# Altium PCB test_stand — копия — копия.PcbDoc (part 1 of 2) (continued)
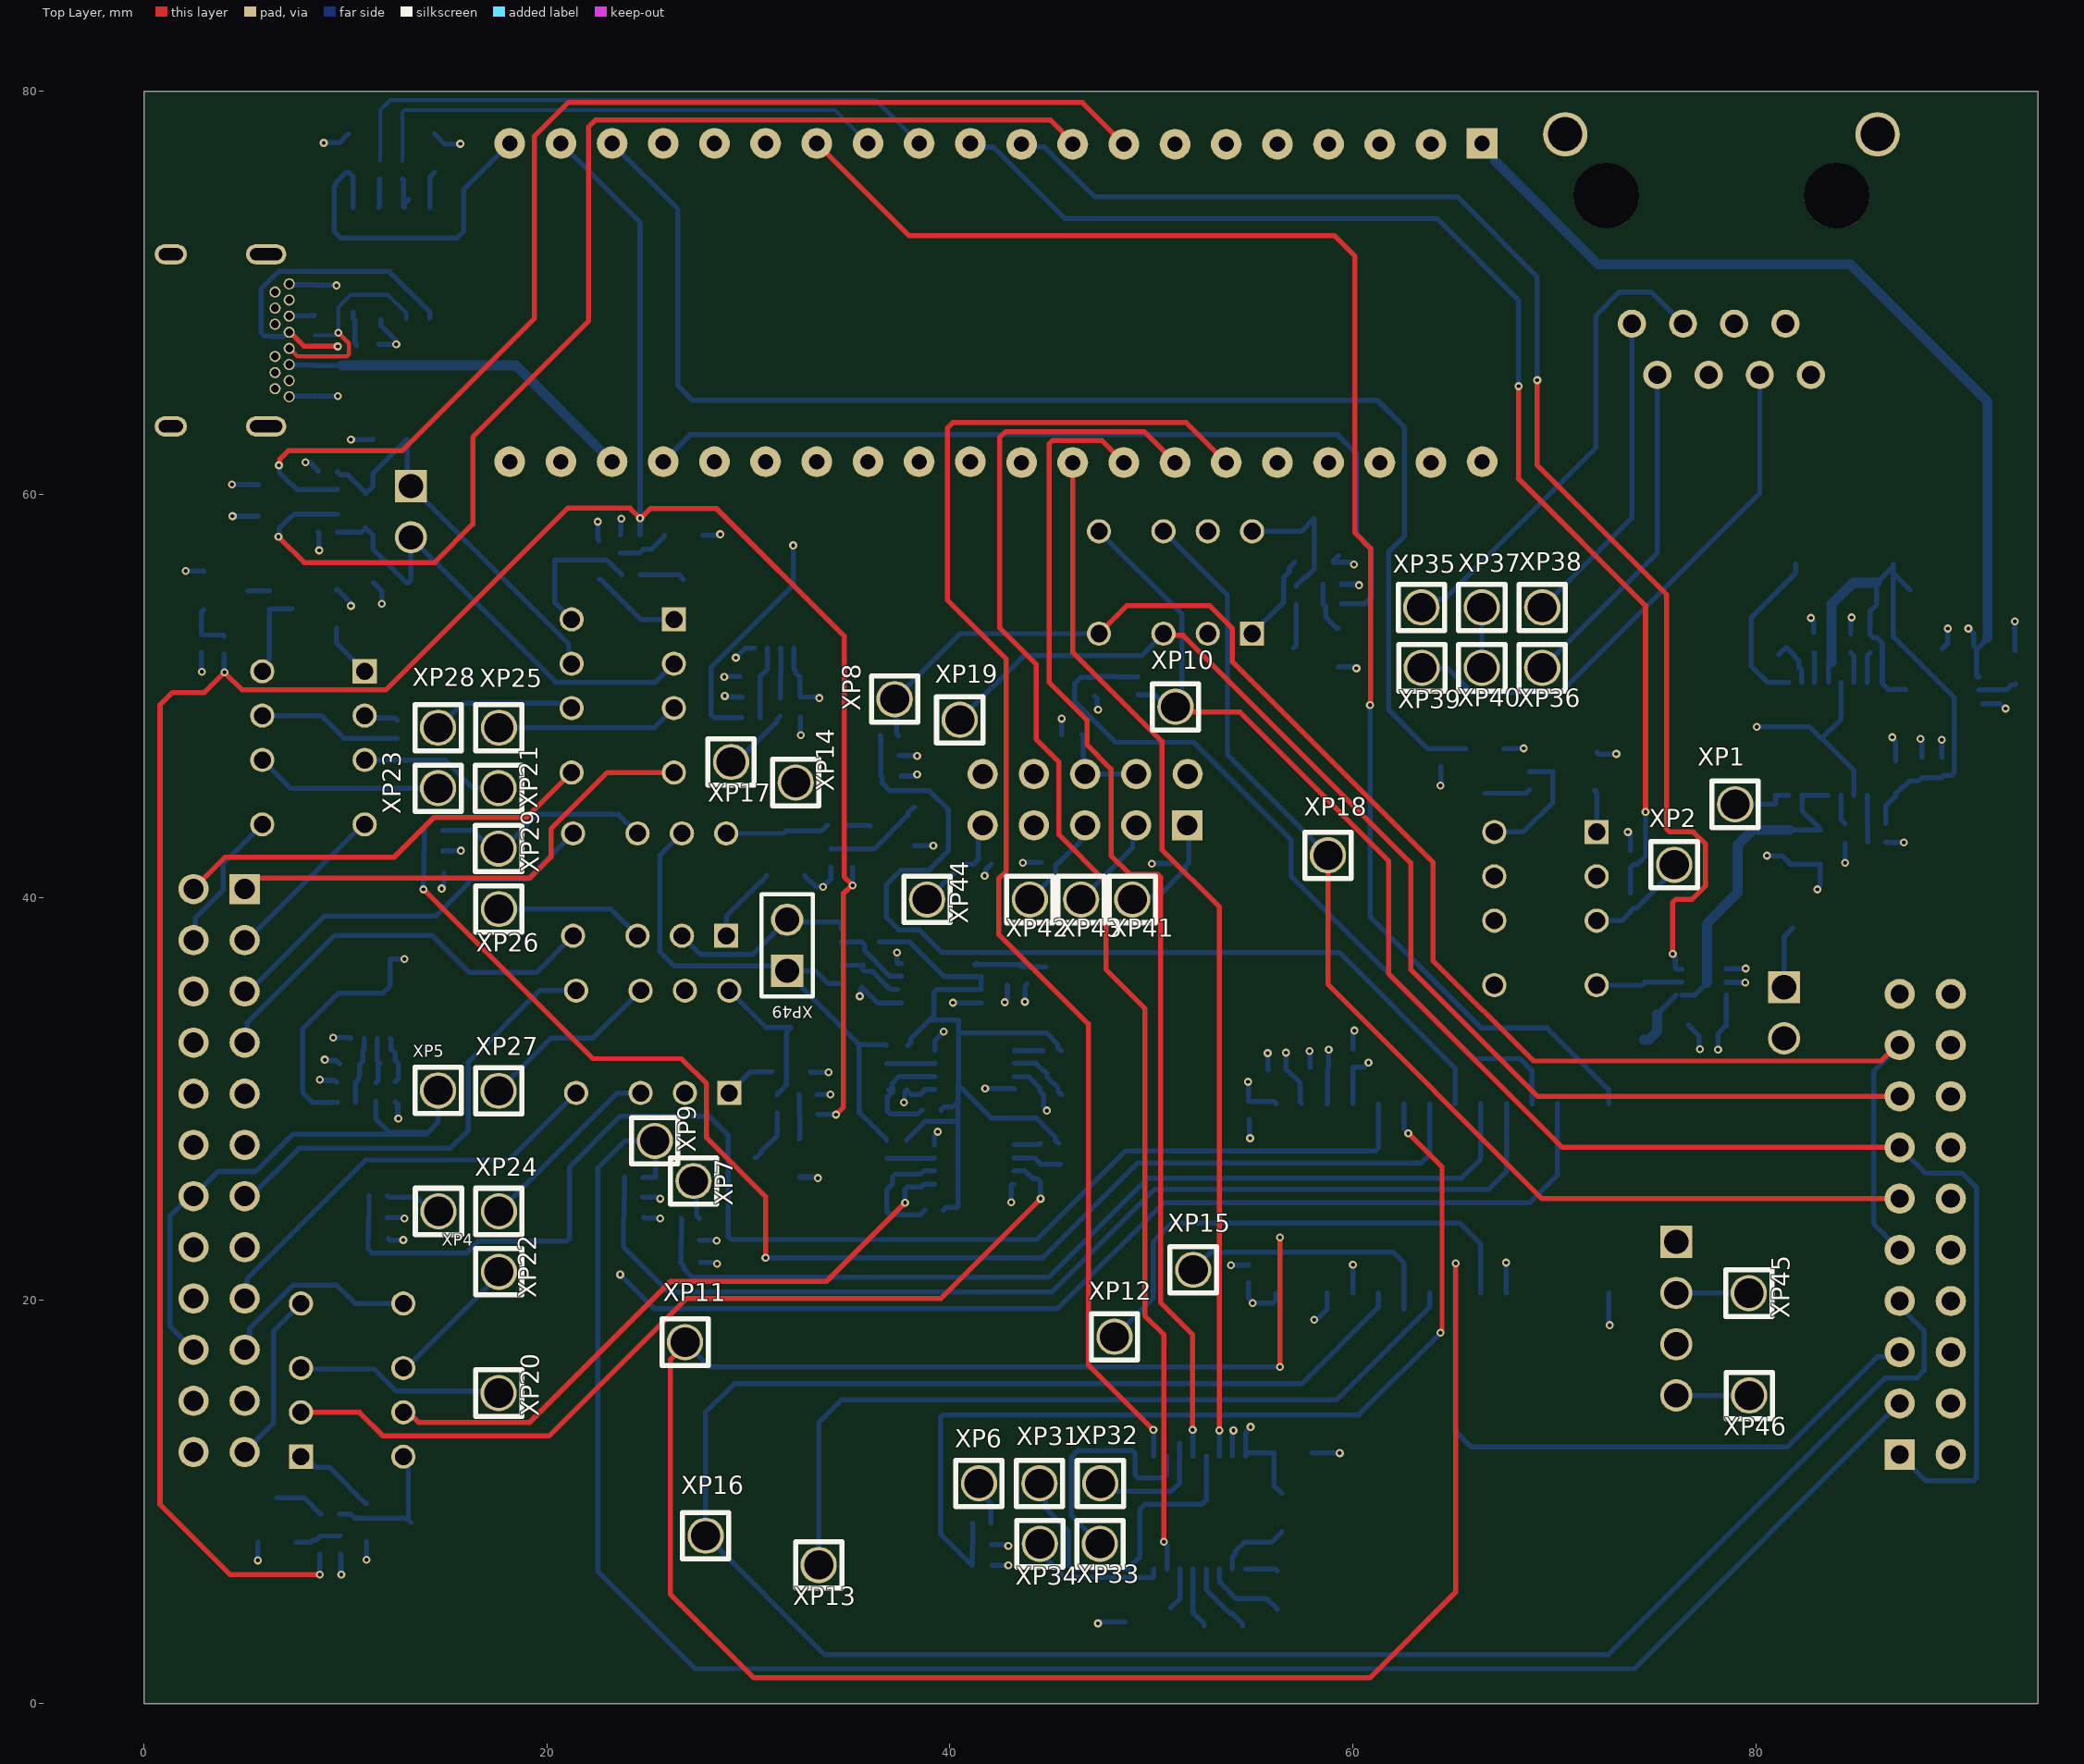
[diagram p0: Top Layer view]
## Components (designator, comment, footprint, x,y, rotation, side; value= is the part's Value field where it differs from the comment)
C1 "22uF" 0603C 81.675,42.5 r90 bottom
C2 "22uF" 0603C 83.2,42.5 r90 bottom
C3 "10nF" 0402C 84.425,43.175 r90 bottom
C4 "10uF" 0402C 82.875,52.65 r270 bottom
C5 "0.1uF" 0805C 77.6,33.675 r0 bottom
C6 "1uF" 0603C 80.625,52.4 r180 bottom
C7 "100uF" 0603C 86.925,45.925 r270 bottom
C8 "100nF" 0402C 88.25,46.45 r270 bottom
C9 "100nF" 0402C 89.225,46.45 r270 bottom
C10 "1uF" 0603C 92.875,51.4 r270 bottom
C11 "1uF" 0603C 90.1,52.35 r0 bottom
C12 "100nF" 0402C 11.625,23.075 r180 bottom
C13 "100nF" 0402C 14.375,41.225 r180 bottom
C14 "10nF" 0402C 10.225,31.736 r0 bottom
C15 "100nF" 0402C 41.6,6.845 r180 bottom
C16 "100nF" 0402C 27.125,21.898 r180 bottom
C17 "10nF" 0402C 12.475,30.361 r90 bottom
C18 "100nF" 0402C 37.075,46.025 r180 bottom
C19 "100nF" 0402C 24.3,24.148 r180 bottom
C20 "100nF" 0402C 47.175,50.5 r90 bottom
C21 "10nF" 0402C 30.1,50.975 r0 bottom
C22 "10nF" 0402C 32.575,49.45 r90 bottom
C23 "0.1uF" 0805C 53.575,3.85 r0 bottom
C24 "0.1uF" 0805C 56.525,5.675 r90 bottom
C25 "0.1uF" 0805C 56.475,9.475 r90 bottom
C26 "0.1uF" 0805C 49.65,4.05 r0 bottom
C27 "0.1uF" 0805C 57.025,12.425 r180 bottom
C28 "0.1uF" 0805C 10.15,76.95 r270 bottom
C29 "0.1uF" 0805C 14.425,76.95 r270 bottom
C30 "10uF" 0402C 46.05,48.075 r0 bottom
C31 "100nF" 0402C 42.85,36.15 r90 bottom
C32 "1uF" 0603C 12.225,62.72 r180 bottom
C33 "1uF" 0603C 12.25,55.6 r180 bottom
C34 "1uF" 0603C 11,59.425 r90 bottom
C35 "1uF" 0603C 6.525,58.925 r0 bottom
C36 "1uF" 0603C 6.525,60.475 r0 bottom
DA1 "LM43603PWPR" TSSOP-17 83.25,47.875 r0 bottom value=LM43603QWPR
DA2 "INA210AIDCKT" SC-70-6 77.425,35.8 r270 bottom
DA3 "ADP3333ARMZ-5" MSOP-8 91.25,50.925 r270 bottom
DA4 "AD8066ARMZ" MSOP-8 12.225,33 r180 bottom
DA5 "AD8066ARMZ" MSOP-8 32.25,52.375 r180 bottom
DA6 "ADM3202ARU" TSSOP-16 52.4,9.475 r180 bottom
DA7 "AD8066ARMZ" MSOP-8 39.25,30.475 r90 bottom
DA8 "AD8066ARMZ" MSOP-8 39.225,25.775 r90 bottom
DA9 "AD8066ARMZ" MSOP-8 37.6,34.775 r90 bottom
DD1 "CH340N" SOP8 14.29,68.7 r90 bottom
L1 "IHLP2020BZER3R3M01" IHLP2020CZ-01 81.974,56.55 r0 bottom
MUX1 "MPC506AU" SOIC-28 64.445,25.069 r90 bottom
R1 "1K" R0402 64.375,46.95 r90 bottom
R2 "24R" R0402 68.75,45.8 r90 bottom
R3 "18.2K" R0402 84.7,52.625 r270 bottom
R4 "0.018R" R1206 74.45,34.35 r90 bottom
R5 "100K" R0402 73.775,39.75 r90 bottom
R6 "10K" R0402 85.675,52.625 r90 bottom
R7 "20K" R0402 73.775,41.9 r90 bottom
R8 "8.2K" R0402 86,42.75 r180 bottom
R9 "40.2K" R0402 86,43.675 r0 bottom
R10 "100K" R0402 11.625,25.205 r180 bottom
R11 "56K" R0402 11.625,24.125 r0 bottom
R12 "100K" R0402 14.375,43.375 r180 bottom
R13 "56K" R0402 14.375,42.3 r0 bottom
R14 "100K" R0402 11.5,30.336 r90 bottom
R15 "100K" R0402 10.025,30.811 r0 bottom
R16 "100K" R0402 41.575,8.945 r180 bottom
R17 "56K" R0402 41.6,7.895 r0 bottom
R18 "100K" R0402 27.125,24.067 r180 bottom
R19 "56K" R0402 27.125,22.998 r0 bottom
R20 "100K" R0402 10.05,29.836 r180 bottom
R21 "10K" R0402 12.175,31.761 r0 bottom
R22 "100K" R0402 37,48.025 r180 bottom
R23 "56K" R0402 37.025,47.05 r0 bottom
R24 "100K" R0402 24.3,26.123 r180 bottom
R25 "56K" R0402 24.3,25.123 r0 bottom
R26 "100K" R0402 49.325,50.5 r90 bottom
R27 "56K" R0402 48.225,50.5 r270 bottom
R28 "10K" R0402 60,32.025 r90 bottom
R29 "100K" R0402 31.575,49.45 r90 bottom
R30 "100K" R0402 30.125,49.95 r0 bottom
R31 "100K" R0402 30.125,48.925 r180 bottom
R32 "10K" R0402 32.075,50.975 r0 bottom
R33 "10K" R0402 54.825,21.325 r270 bottom
R34 "10K" R0402 54.85,29.425 r90 bottom
R35 "10K" R0402 56.25,31.45 r0 bottom
R36 "10K" R0402 58.35,31.575 r0 bottom
R37 "1K" R0402 58.975,55.55 r180 bottom
R38 "1K" R0402 9.75,7.875 r90 bottom
R39 "1K" R0402 2.85,52.625 r90 bottom
R40 "1K" R0402 58.975,54.575 r0 bottom
R41 "1K" R0402 8.725,7.85 r270 bottom
R42 "1K" R0402 3.975,52.525 r270 bottom
R43 "24R" R0402 57.175,55 r90 bottom
R44 "24R" R0402 9.25,9.4 r0 bottom
R45 "24R" R0402 6.225,54.775 r270 bottom
R46 "10K" R0402 12.575,48.35 r90 bottom
R47 "1K" R0402 32.95,30.225 r180 bottom
R48 "1K" R0402 23.65,57.55 r270 bottom
R49 "1K" R0402 34.1,41.975 r90 bottom
R50 "1K" R0402 33,29.225 r0 bottom
R51 "1K" R0402 24.625,57.55 r90 bottom
R52 "1K" R0402 35.15,41.95 r270 bottom
R53 "24R" R0402 31.425,29.75 r90 bottom
R54 "24R" R0402 24.175,56.025 r180 bottom
R55 "24R" R0402 34.375,43.575 r180 bottom
R56 "33R" R0402 12.825,76.1 r90 bottom
R57 "33R" R0402 11.2,67.45 r180 bottom
R58 "33R" R0402 11.725,76.125 r90 bottom
R59 "10K" R0402 51.4,41.7 r0 bottom
R60 "10K" R0402 44.975,41.75 r0 bottom
R61 "10K" R0402 41.6,41.65 r180 bottom
R62 "10K" R0402 36.86,32.2 r270 bottom
R63 "10K" R0402 36.86,27.5 r270 bottom
R64 "10K" R0402 37.91,32.2 r90 bottom
R65 "10K" R0402 37.86,27.5 r90 bottom
R66 "10K" R0402 45.085,32.4 r0 bottom
R67 "10K" R0402 44.96,27.8 r0 bottom
R68 "10K" R0402 39.125,29.5 r0 bottom
R69 "10K" R0402 45.11,31.4 r180 bottom
R70 "10K" R0402 39.225,24.475 r0 bottom
R71 "10K" R0402 45.485,26.3 r90 bottom
R72 "10K" R0402 37.4,30.45 r0 bottom
R73 "10K" R0402 45.1,30.225 r180 bottom
R74 "10K" R0402 37.425,25.625 r0 bottom
R75 "10K" R0402 44.485,26.325 r270 bottom
R77 "10K" R0402 34.675,36.175 r90 bottom
R78 "10K" R0402 34.6,38.225 r270 bottom
R79 "10K" R0402 36.05,37.8 r0 bottom
R80 "20K" R0402 44.825,36.15 r90 bottom
R81 "10K" R0402 35.65,36 r270 bottom
R82 "10K" R0402 43.825,36.15 r90 bottom
R83 "100K" R0402 9.6,58.575 r270 bottom
R84 "56K" R0402 8.65,58.575 r270 bottom
R85 "100K" R0402 9.6,60.7 r90 bottom
R86 "56K" R0402 8.65,60.7 r90 bottom
VD1 "BAV99" SOT-23-3 71.025,46.25 r180 bottom
VD2 "MBRAF1540T3G" SMA-FL 79.7,38.475 r180 bottom
VD3 "BAV99" SOT-23-3 58.075,57.75 r90 bottom
VD4 "BAV99" SOT-23-3 12.15,8.975 r0 bottom
VD5 "BAV99" SOT-23-3 8.462,54.326 r180 bottom
VD6 "BAV99" SOT-23-3 32.125,32.45 r90 bottom
VD7 "BAV99" SOT-23-3 21.5,56.75 r180 bottom
VD8 "BAV99" SOT-23-3 31.85,42.2 r90 bottom
VT1 "BSS138" SOT-23-3 66.55,46.275 r270 bottom
VT2 "BSS138" SOT-23-3 58.175,52.4 r180 bottom
VT3 "BSS138" SOT-23-3 6.6,9.1 r90 bottom
VT4 "BSS138" SOT-23-3 4.075,55.225 r0 bottom
VT5 "BSS138" SOT-23-3 31.425,27.075 r180 bottom
VT6 "BSS138" SOT-23-3 26.775,56.875 r270 bottom
VT7 "BSS138" SOT-23-3 37.15,43.525 r180 bottom
XP1 "PA" "POGO PIN P100-A2/B1" 78.971,44.624 r0 top
XP2 "PA" "POGO PIN P100-A2/B1" 75.95,41.625 r0 top
XP3 "PLS-2" PLS-2 81.4,34.28 r270 bottom
XP4 "PA" "POGO PIN P100-A2/B1" 14.621,24.424 r0 top
XP5 "PA" "POGO PIN P100-A2/B1" 14.6,30.425 r0 top
XP6 "PA" "POGO PIN P100-A2/B1" 41.445,10.925 r0 top
XP7 "PB" "POGO PIN P100-A2/B1" 27.277,25.928 r0 top
XP8 "PB" "POGO PIN P100-A2/B1" 37.257,49.844 r0 top
XP9 "PB" "POGO PIN P100-A2/B1" 25.356,27.92 r0 top
XP10 "PB" "POGO PIN P100-A2/B1" 51.197,49.464 r90 top
XP11 "PB" "POGO PIN P100-A2/B1" 26.856,17.931 r90 top
XP12 "PB" "POGO PIN P100-A2/B1" 48.17,18.2 r90 top
XP13 "PB" "POGO PIN P100-A2/B1" 33.491,6.874 r90 top
XP14 "PB" "POGO PIN P100-A2/B1" 32.35,45.702 r90 top
XP15 "PB" "POGO PIN P100-A2/B1" 52.077,21.52 r90 top
XP16 "PB" "POGO PIN P100-A2/B1" 27.881,8.325 r90 top
XP17 "PB" "POGO PIN P100-A2/B1" 29.141,46.724 r90 top
XP18 "PA" "POGO PIN P100-A2/B1" 58.763,42.093 r90 top
XP19 "PA" "POGO PIN P100-A2/B1" 40.488,48.818 r90 top
XP20 "PA" "POGO PIN P100-A2/B1" 17.605,15.406 r90 top
XP21 "PA" "POGO PIN P100-A2/B1" 17.6,45.425 r90 top
XP22 "PA" "POGO PIN P100-A2/B1" 17.621,21.424 r90 top
XP23 "PA" "POGO PIN P100-A2/B1" 14.6,45.425 r90 top
XP24 "PA" "POGO PIN P100-A2/B1" 17.621,24.424 r90 top
XP25 "PB" "POGO PIN P100-A2/B1" 17.621,48.424 r90 top
XP26 "PA" "POGO PIN P100-A2/B1" 17.621,39.424 r90 top
XP27 "PA" "POGO PIN P100-A2/B1" 17.605,30.406 r90 top
XP28 "PB" "POGO PIN P100-A2/B1" 14.6,48.425 r90 top
XP29 "PA" "POGO PIN P100-A2/B1" 17.601,42.425 r90 top
XP30 "STM32F411CEU6 Black Pill" "Black pill STM32F411CEU6" 66.415,77.425 r180 bottom
XP31 "PA" "POGO PIN P100-A2/B1" 44.445,10.925 r90 top
XP32 "PA" "POGO PIN P100-A2/B1" 47.466,10.924 r90 top
XP33 "PA" "POGO PIN P100-A2/B1" 47.445,7.925 r90 top
XP34 "PA" "POGO PIN P100-A2/B1" 44.466,7.924 r90 top
XP35 "PA" "POGO PIN P100-A2/B1" 63.4,54.397 r90 top
XP36 "PA" "POGO PIN P100-A2/B1" 69.4,51.397 r90 top
XP37 "PA" "POGO PIN P100-A2/B1" 66.4,54.397 r90 top
XP38 "PA" "POGO PIN P100-A2/B1" 69.4,54.397 r90 top
XP39 "PA" "POGO PIN P100-A2/B1" 63.42,51.397 r90 top
XP40 "PA" "POGO PIN P100-A2/B1" 66.4,51.397 r90 top
XP41 "PA" "POGO PIN P100-A2/B1" 49.051,39.899 r90 top
XP42 "PA" "POGO PIN P100-A2/B1" 43.971,39.899 r90 top
XP43 "PA" "POGO PIN P100-A2/B1" 46.511,39.899 r90 top
XP44 "PA" "POGO PIN P100-A2/B1" 38.87,39.9 r90 top
XP45 "PA" "POGO PIN P100-A2/B1" 79.65,20.365 r90 top
XP46 "PA" "POGO PIN P100-A2/B1" 79.671,15.284 r90 top
XP47 "PLS-4" PLS-4 76.05,19.1 r270 bottom
XP48 "20021111-00010T4LF" 20021111-00010T4LF 51.775,43.585 r180 bottom
XP49 "3R" PLS-2 31.925,37.625 r90 top
XP50 "BH-20" BH-20 88.405,23.785 r90 bottom
XP51 "3R" PLS-2 13.25,59.145 r270 bottom
XS1 "217B-AG01" 217B-AG01 4.9,67.65 r270 bottom
XS2 "DS1126" DS1126 73.845,68.475 r0 bottom
XS3 "PLD-24" PLD-24 3.73,26.45 r270 bottom
К1 "HFD4/5" DIP-8 72.1,43.25 r180 bottom
К2 "HFD4/5" DIP-8 55,53.095 r90 bottom
К3 "HFD4/5" DIP-8 7.795,12.25 r0 bottom
К4 "HFD4/5" DIP-8 10.955,51.225 r180 bottom
К5 "HFD4/5" DIP-8 29.05,30.3 r90 bottom
К6 "HFD4/5" DIP-8 26.305,53.8 r180 bottom
К7 "HFD4/5" DIP-8 28.9,38.1 r90 bottom

## Footprints (in the part's own frame and the unit in brackets; to place one, negate y for a bottom-side part, rotate by r counter-clockwise, add the part's x,y. Pads: shape width x height; smd on the part's side, far side on the other; paste and mask are expansions set on the pad)
217B-AG01 [mm]
  rect 0.3x1.2 smd: A1(2.75,-3.565) A2(2.25,-3.565) A3(1.75,-3.565) A4(1.25,-3.565) A5(0.75,-3.565) A6(0.25,-3.565) A7(-0.25,-3.565) A8(-0.75,-3.565) A9(-1.25,-3.565) A10(-1.75,-3.565) A11(-2.25,-3.565) A12(-2.75,-3.565)
  round 0.55 hole 0.4: B1(-2.8,-2.31) B2(-2.4,-1.61) B3(-1.6,-1.61) B4(-1.2,-2.31) B5(-0.8,-1.61) B6(-0.4,-2.31) B7(0.4,-2.31) B8(0.8,-1.61) B9(1.2,-2.31) B10(1.6,-1.61) B11(2.4,-1.61) B12(2.8,-2.31) MID(-2,-2.31) MID1(2,-2.31)
  oval 1x1.6 hole 0.6 slot 1.2 at 90 deg: S1(-4.27,3.565) S4(4.27,3.565)
  oval 1x2 hole 0.6 slot 1.6 at 90 deg: S2(-4.27,-1.165) S3(4.27,-1.165)
  silkscreen extent -5,-4.37 5,7.97, body extent -4.37,-3.84 4.37,7.99, height 3.08
0402C [mm]
  rect 0.6x0.6 smd: 1(-0.5,0) 2(0.5,0)
  silkscreen extent -0.9,-0.4 0.9,0.4, body extent -0.73,-0.25 0.73,0.25, height 0.51
0603C [mm]
  rect 1.1x1 smd: 1(-0.85,0) 2(0.85,0)
  silkscreen extent -1.55,-0.65 1.55,0.65, body extent -1.23,-0.42 1.23,0.38, height 0.8
0805C [mm]
  rect 1.3x1.5 smd: 1(-0.95,0) 2(0.95,0)
  silkscreen extent -1.75,-0.9 1.75,0.9, body extent -1.35,-0.63 1.45,0.62, height 0.8
20021111-00010T4LF [mm]
  rect 1.5x1.5 hole 1: 1(0,0)
  round 1.5 hole 1: 2(-0.025,2.54) 3(2.525,0) 4(2.525,2.54) 5(5.065,0) 6(5.065,2.54) 7(7.605,0) 8(7.605,2.54) 9(10.145,0) 10(10.145,2.54)
  silkscreen extent -1.25,-1.23 11.34,3.77
BH-20 [mm]
  rect 1.5x1.5 hole 0.9: 1(-11.43,-1.27)
  round 1.5 hole 0.9: 2(-11.43,1.27) 3(-8.89,-1.27) 4(-8.89,1.27) 5(-6.35,-1.27) 6(-6.35,1.27) 7(-3.81,-1.27) 8(-3.81,1.27) 9(-1.27,-1.27) 10(-1.27,1.27) 11(1.27,-1.27) 12(1.27,1.27) 13(3.81,-1.27) 14(3.81,1.27) 15(6.35,-1.27) 16(6.35,1.27) 17(8.89,-1.27) 18(8.89,1.27) 19(11.43,-1.27) 20(11.43,1.27)
  silkscreen extent -16.52,-4.54 16.53,4.57, body extent -16.49,-4.55 16.53,4.55, height 8.75
"Black pill STM32F411CEU6" [mil]
  rect 60x60 hole 30: 1(0,0)
  round 60 hole 30: 2(100,-1.57) 3(200,-1.57) 4(300,-1.57) 5(400,-1.57) 6(500,-1.57) 7(600,-1.57) 8(700,-1.57) 9(800,-1.57) 10(900,-1.57) 11(1000,0) 12(1100,0) 13(1200,0) 14(1300,0) 15(1400,0) 16(1500,0) 17(1600,0) 18(1700,0) 19(1800,0) 20(1900,0) 21(0,-622.05) 22(100,-623.62) 23(200,-623.62) 24(300,-623.62) 25(400,-623.62) 26(500,-623.62) 27(600,-623.62) 28(700,-623.62) 29(800,-623.62) 30(900,-623.62) 31(1000,-622.05) 32(1100,-622.05) 33(1200,-622.05) 34(1300,-622.05) 35(1400,-622.05) 36(1500,-622.05) 37(1600,-622.05) 38(1700,-622.05) 39(1800,-622.05) 40(1900,-622.05)
  silkscreen extent -89,-683 1989,65
DIP-8 [mm]
  rect 1.2x1.2 hole 0.85: 1(0,0)
  round 1.2 hole 0.85: 2(0,-2.2) 3(0,-4.4) 4(0,-7.6) 5(5.08,-7.6) 6(5.08,-4.4) 7(5.08,-2.2) 8(5.08,0)
  silkscreen extent -0.92,-8.8 6.02,1.2, body extent -0.47,-8.83 5.53,1.17, height 5.66
DS1126 [mm] "RJ-45 Sheilded Connector"
  round 1.4 hole 0.9: 1(0,0) 2(1.27,2.54) 3(2.54,0) 4(3.81,2.54) 5(5.08,0) 6(6.35,2.54) 7(7.62,0) 8(8.89,2.54)
  round 2.2 hole 1.7: 9(-3.305,-9.4) 10(12.195,-9.4)
  round 3.25 hole 3.25 unplated: 11(10.16,-6.35) 12(-1.27,-6.35)
  silkscreen extent -4,-13 13,4
IHLP2020CZ-01 [mm]
  rect 1.905x2.79 smd: 1(0,0) 2(4.851,0.025)
  silkscreen extent -1.16,-2.59 6,2.59, body extent -0.25,-2.57 5.2,2.58, height 1.95
MSOP-8 [mm] "8-Lead Mini Small Outline Package [MSOP]"
  rect 0.35x1.35 smd: 1(0,0)
  oval 0.35x1.35 smd: 2(0.65,0) 3(1.3,0) 4(1.95,0) 5(1.95,3.95) 6(1.3,3.95) 7(0.65,3.95) 8(0,3.95)
  silkscreen extent -0.97,-0.17 2.5,2.9, body extent -0.5,-0.45 2.5,4.45, height 0.95
PLD-24 [mm]
  rect 1.5x1.5 hole 1: 1(-13.97,-1.27)
  round 1.5 hole 1: 2(-13.97,1.27) 3(-11.43,-1.27) 4(-11.43,1.27) 5(-8.89,-1.27) 6(-8.89,1.27) 7(-6.35,-1.27) 8(-6.35,1.27) 9(-3.81,-1.27) 10(-3.81,1.27) 11(-1.27,-1.27) 12(-1.27,1.27) 13(1.27,-1.27) 14(1.27,1.27) 15(3.81,-1.27) 16(3.81,1.27) 17(6.35,-1.27) 18(6.35,1.27) 19(8.89,-1.27) 20(8.89,1.27) 21(11.43,-1.27) 22(11.43,1.27) 23(13.97,-1.27) 24(13.97,1.27)
  silkscreen extent -15.24,-2.54 15.24,2.54, body extent -15.24,-2.54 15.24,2.54, height 8.6
PLS-2 [mm]
  rect 1.6x1.6 hole 1.2: 1(-1.27,0)
  round 1.6 hole 1.2: 2(1.27,0)
  silkscreen extent -2.54,-1.27 2.54,1.27, body extent -2.54,-1.27 2.54,1.27, height 8.54
PLS-4 [mm]
  rect 1.6x1.6 hole 1.2: 1(-3.81,0)
  round 1.6 hole 1.2: 2(-1.27,0) 3(1.27,0) 4(3.81,0)
  silkscreen extent -5.08,-1.27 5.08,1.27, body extent -5.08,-1.27 5.08,1.27, height 9.2
"POGO PIN P100-A2/B1" [mm]
  round 1.8 hole 1.45: 1(0,0)
  silkscreen extent -1.15,-1.15 1.15,1.15, body extent -0.69,-0.7 0.7,0.7, height 33.35
R0402 [mm] "Resistor 0402"
  rect 0.6x0.55 smd: 1(-0.45,0) 2(0.45,0)
  silkscreen extent -0.9,-0.4 0.9,0.4, body extent -0.73,-0.25 0.73,0.25, height 0.51
R1206 [mm]
  rect 1.3x1.8 smd: 1(-1.4,0) 2(1.4,0)
  silkscreen extent -2.22,-1.05 2.25,1.05, body extent -2.27,-0.8 2.27,0.8, height 1.25
SC-70-6 [mm]
  rect 0.4x0.9 smd: 1(-0.65,-1.1) 2(0,-1.1) 3(0.65,-1.1) 4(0.65,1.1) 5(0,1.1) 6(-0.65,1.1)
  silkscreen extent -1,-0.4 1,0.4, body extent -1,-1.05 1,1.05, height 0.92
SMA-FL [mm]
  rect 1.3x1.76 smd: 1(-2.13,0) 2(2.13,0)
  silkscreen extent -3,-1.1 3,1.1, body extent -2.55,-1.3 2.55,1.3, height 1.2
SOIC-28 [mm]
  rect 2x0.6 smd: 1(-4.7,8.255)
  oval 2x0.6 smd: 2(-4.7,6.985) 3(-4.7,5.715) 4(-4.7,4.445) 5(-4.7,3.175) 6(-4.7,1.905) 7(-4.7,0.635) 8(-4.7,-0.635) 9(-4.7,-1.905) 10(-4.7,-3.175) 11(-4.7,-4.445) 12(-4.7,-5.715) 13(-4.7,-6.985) 14(-4.7,-8.255) 15(4.7,-8.255) 16(4.7,-6.985) 17(4.7,-5.715) 18(4.7,-4.445) 19(4.7,-3.175) 20(4.7,-1.905) 21(4.7,-0.635) 22(4.7,0.635) 23(4.7,1.905) 24(4.7,3.175) 25(4.7,4.445) 26(4.7,5.715) 27(4.7,6.985) 28(4.7,8.255)
  silkscreen extent -2.86,-8.89 2.87,8.89, body extent -5.33,-9.07 5.28,9.03, height 2.61
SOP8 [mm]
  rect 1.3x0.7 smd: 1(0,0)
  oval 1.3x0.7 smd: 2(0,-1.27) 3(0,-2.54) 4(0,-3.81) 5(5.5,-3.81) 6(5.5,-2.54) 7(5.5,-1.27) 8(5.5,0)
  silkscreen extent 1.48,-4.29 4.02,0.63, body extent -0.24,-4.28 5.74,0.62, height 1.57
SOT-23-3 [mm]
  rect 0.9x0.8 smd: 1(-1.1,0.95) 2(-1.1,-0.95) 3(1.1,0)
  silkscreen extent -0.4,-1.5 0.7,1.5, body extent -1.4,-1.45 1.4,1.45, height 1.3
TSSOP-16 [mm] "16-Lead Thin Shrink Small Outline Package [TSSOP]"
  rect 0.35x1.5 smd: 1(-2.275,-2.8)
  oval 0.35x1.5 smd: 2(-1.625,-2.8) 3(-0.975,-2.8) 4(-0.325,-2.8) 5(0.325,-2.8) 6(0.975,-2.8) 7(1.625,-2.8) 8(2.275,-2.8) 9(2.275,2.8) 10(1.625,2.8) 11(0.975,2.8) 12(0.325,2.8) 13(-0.325,2.8) 14(-0.975,2.8) 15(-1.625,2.8) 16(-2.275,2.8)
  silkscreen extent -2.77,-1.73 2.73,1.7, body extent -2.5,-3.2 2.5,3.2, height 1.1
TSSOP-17 [mm] "16+1-Lead Thin Shrink Small Outline Package [TSSOP]"
  rect 0.35x1.5 smd: 1(-2.275,-2.8)
  oval 0.35x1.5 smd: 2(-1.625,-2.8) 3(-0.975,-2.8) 4(-0.325,-2.8) 5(0.325,-2.8) 6(0.975,-2.8) 7(1.625,-2.8) 8(2.275,-2.8) 9(2.275,2.8) 10(1.625,2.8) 11(0.975,2.8) 12(0.325,2.8) 13(-0.325,2.8) 14(-0.975,2.8) 15(-1.625,2.8) 16(-2.275,2.8)
  rect 5x3.4 smd: 17(0,0)
  silkscreen extent -2.77,-1.73 2.73,1.7, body extent -2.5,-3.2 2.5,3.2, height 1.1

## Part data
C1 C2: library part "C0603-22uF 10% 50V", "C0603-22uF 10% 50V", Part Number="SMD CAP CER 2.2uF ±10% 50V X7R 0603", Mount=MOUNT, MountType=SMD, Pkg=0603, Solder_Amount=2
C3 C14 C17 C21 C22: library part "C0402-10nF 10% 50V", "C0402-10nF 10% 50V", Part Number="SMD CAP CER 10nF ±10% 50V X5R 0402", Added_by=Rutel@Mail.ru, Created_at=27/03/2020, Mount=MOUNT, MountType=SMD, Pkg=0402, Solder_Amount=2
C4 C30: library part "C0402-10UF 10% 10V", "C0402-10UF 10% 10V", Part Number="SMD CAP CER 10UF ±10% 10V X5R 0402", Added_by=Rutel@Mail.ru, Created_at=27/03/2020, Mount=MOUNT, MountType=SMD, Pkg=0402, Solder_Amount=2
C5 C23 C24 C25 C26 C27 C28 C29: library part "C0805-0.1UF 10% 50V", "C0805 0.1UF 10% 50V", Part Number="SMD CAP CER 0.1UF ±10% 50V X7R 0805", Added_by=anton@teslatec.ru, Created_at=10/01/2023, Mount=MOUNT, MountType=SMD, Pkg=0805, Solder_Amount=2
C6 C10 C11 C32 C33 C34 C35 C36: library part "C0603-1uF 10% 50V", "C0603-1uF 10% 50V", Part Number="SMD CAP CER 1uF ±10% 50V X7R 0603", Added_by=grebelny_av@teslatec.ru, Created_at=22/06/2021, Mount=MOUNT, MountType=SMD, Pkg=0603, Solder_Amount=2
C7: library part "C1210-100UF 10% 16V", "C1210-100UF 10% 16V", Part Number="SMD CAP CER 100UF ±10% 16V X7R 1210", Mount=MOUNT, MountType=SMD, Pkg=1210, Solder_Amount=2
C8 C9 C12 C13 C15 C16 C18 C19 C20 C31: library part "C0402-100nF 10% 50V", "C0402-100nF 10% 50V", Part Number="SMD CAP CER 100nF ±10% 50V X5R 0402", Added_by=Rutel@Mail.ru, Created_at=27/03/2020, Mount=MOUNT, MountType=SMD, Pkg=0402, Solder_Amount=2
DA1: "LM43603PWPR 3.5-V to 36-V, 3-A Synchronous Step-Down Voltage Converter", Added_by=irdolgopolowa@yandex.ru, Created_at=29/10/24, Mount=MOUNT, MountType=SMD, Part Number=LM43603PWPR, Pkg="MSE 16", Solder_Amount=17
DA2: "26V, 14kHz, bi-directional, package SC70-6, -40 to 125", Added_by=ridel_av@teslatec.ru, Created_at=02/02/2022, Mount=MOUNT, MountType=SMD, Part Number=INA210AIDCKT, Pkg=SC70-6, Solder_Amount=6
DA3: "5V 500 mA, Low Dropout, / CMOS Linear Regulator", Added_by=irdolgopolowa@yandex.ru, Created_at=29/10/24, Mount=MOUNT, MountType=SMD, Part Number=ADP3333ARMZ-5, Pkg="8-Lead MSOP", Solder_Amount=8
DA4 DA5 DA7 DA8 DA9: "High Performance, 145 MHz FastFET Op Amps", Added_by=irdolgopolowa@yandex.ru, Created_at=29/10/24, Mount=MOUNT, MountType=SMD, Part Number=AD8066ARMZ, Pkg=MSOP-8, Solder_Amount=8
DA6: "Low Power, 3.3 V, RS-232 / Line Drivers/Receivers", Added_by=irdolgopolowa@yandex.ru, Created_at=29/10/24, Mount=MOUNT, MountType=SMD, Part Number=ADM3202ARU, Pkg=TSSOP-16, Solder_Amount=16
DD1: "USB to Serial Port Chip CH340, SOP-8", Added_by=irdolgopolowa@yandex.ru, Created_at=29/10/24, Mount=MOUNT, MountStyle=SMD, Part Number=CH340N, Pkg=SOIC-8
L1: "FIXED IND 3.3UH 3.3A 79 MOHM SMD", Added_by=Rutel@teslatec.ru, Created_at=14/05/2020, Mount=MOUNT, MountType=SMD, Part Number=IHLP2020BZER3R3M01, Pkg=IHLP-2020BZ-01, Solder_Amount=2
MUX1: "MPC506AU, Ch: 16, SO28", Package=SOIC, Part Number=MPC506A, Added_by=irdolgopolowa@yandex.ru, Created_at=29/10/2024, Mount=Mount, MountType=SMD/SMT, Solder Amount=28
R1 R37 R38 R39 R40 R41 R42 R47 R48 R49 R50 R51 R52: library part R0402-1K, "Resistor SMD 1K 1% 0402", Part Number="SMD RES 1 KOHM 1% ±100ppm/°C 0402", Added_by=irdolgopolowa@yandex.ru, Created_at=29/10/24, Mount=MOUNT, MountType=SMD, Pkg=0402, Solder_Amount=2
R2 R43 R44 R45 R53 R54 R55: library part R0402-24R, "Resistor SMD 24R 1% 0402", Part Number="SMD RES 24R OHM 1% ±100ppm/°C 0402", Added_by=Rutel@teslatec.ru, Created_at=21/04/2020, Mount=MOUNT, MountType=SMD, Pkg=0402, Solder_Amount=2
R3: library part R0402-18.2K, "Resistor SMD 18.2K 1% 0402", Part Number="SMD RES 18.2 KOHM 1% ±100ppm/°C 0402", Added_by=Rutel@teslatec.ru, Created_at=21/04/2020, Mount=MOUNT, MountType=SMD, Pkg=0402, Solder_Amount=2
R4: library part R1206-0.018R, "Resistor SMD 0.018R 1% 1206", Part Number="TL2BR018F SMD RES 0.018 OHM 1% ±75ppm/°C 1206", Added_by=irdolgopolowa@yandex.ru, Created_at=07/11/2024, Mount=MOUNT, MountType=SMD, Pkg=1206, Solder_Amount=2
R5 R10 R12 R14 R15 R16 R18 R20 R22 R24 R26 R29 R30 R31 R83 R85: library part R0402-100K, "Resistor SMD 100K 1% 0402", Part Number="SMD RES 100 KOHM 1% ±100ppm/°C 0402", Added_by=Rutel@teslatec.ru, Created_at=21/04/2020, Mount=MOUNT, MountType=SMD, Pkg=0402, Solder_Amount=2
R6 R21 R28 R32 R33 R34 R35 R36 R46 R59 R60 R61 R62 R63 R64 R65 R66 R67 R68 R69 R70 R71 R72 R73 R74 R75 R77 R78 R79 R81 R82: library part R0402-10K, "Resistor SMD 10K 1% 0402", Part Number="SMD RES 10 KOHM 1% ±100ppm/°C 0402", Added_by=Rutel@teslatec.ru, Created_at=21/04/2020, Mount=MOUNT, MountType=SMD, Pkg=0402, Solder_Amount=2
R7 R80: library part R0402-20K, "Resistor SMD 20K 1% 0402", Part Number="SMD RES 20 KOHM 1% ±100ppm/°C 0402", Added_by=Rutel@teslatec.ru, Created_at=21/04/2020, Mount=MOUNT, MountType=SMD, Pkg=0402, Solder_Amount=2
R8: library part R0402-8.2K, "Resistor SMD 8.2K 1% 0402", Part Number="SMD RES 8.2 KOHM 1% ±100ppm/°C 0402", Added_by=Rutel@teslatec.ru, Created_at=21/04/2020, Mount=MOUNT, MountType=SMD, Pkg=0402, Solder_Amount=2
R9: library part R0402-40.2K, "Resistor SMD 40.2K 1% 0402", Part Number="SMD RES 40.2K KOHM 1% ±100ppm/°C 0402", Added_by=ridel_av@teslatec.ru, Created_at=15/12/2021, Mount=MOUNT, MountType=SMD, Pkg=0402, Solder_Amount=2
R11 R13 R17 R19 R23 R25 R27 R84 R86: library part R0402-56K, "Resistor SMD 56K 1% 0402", Part Number="SMD RES 56K KOHM 1% ±100ppm/°C 0402", Added_by=ridel_av@teslatec.ru, Created_at=15/12/2021, Mount=MOUNT, MountType=SMD, Pkg=0402, Solder_Amount=2
R56 R57 R58: library part R0402-33R, "Resistor SMD 33R 1% 0402", Part Number="SMD RES 33R OHM 1% ±100ppm/°C 0402", Added_by=Rutel@teslatec.ru, Created_at=21/04/2020, Mount=MOUNT, MountType=SMD, Pkg=0402, Solder_Amount=2
VD1 VD3 VD4 VD5 VD6 VD7 VD8: "BAV99, UMW, 70В, 200мА", Added_by=andrew@teslatec.ru, Created_at=29/06/2020, Mount=MOUNT, MountType=SMD, Part Number=BAV99, Pkg=SOT-23-3, Solder_Amount=3
VD2: "1.5 A, 40 V Schottky Rectifier", Added_by=irdolgopolowa@yandex.ru, Created_at=29.10.24, Mount=MOUNT, MountType=SMD, Part Number=MBRAF1540T3G, Pkg=SMA-FL, Solder_Amount=2
VT1 VT2 VT3 VT4 VT5 VT6 VT7: "N-Channel Logic Level Enhancement Mode Field Effect Transistor", Added_by=ma_lubushkin@teslatec.ru, Created_at=03/12/2019, Mount=MOUNT, MountType=SMD, Part Number=BSS138, Pkg=SOT-23, Solder_Amount=3
XP1 XP2 XP4 XP5 XP6 XP18 XP19 XP20 XP21 XP22 XP23 XP24 XP26 XP27 XP29 XP31 XP32 XP33 XP34 XP35 XP36 XP37 XP38 XP39 XP40 XP41 XP42 XP43 XP44 XP45 XP46: library part "P100-A2 / P100-A", "Pogo pin, 33.35x1.36", Added_by=irdolgopolowa@yandex.ru, Created_at=29/10/24, Mount=MOUNT, MountType=THM, Part Number="P100-A2 / P100-A"
XP3 XP47: "HEADER 2.54mm", Added_by=irdolgopolowa@yandex.ru, Created_at=29/10/24, Mount=MOUNT, MountType=THM
  XP3: Part Number=PLS-2, Pkg=PLS-2, Solder_Amount=2
  XP47: Cable/Wire="МГТФ 0,35 кв.мм ГОСТ", Mating Part=BLS-4, Mating Terminals="BL-T (DS-1071)", Part Number=PLS-4, Pkg=PLS-4, Solder_Amount=4
XP7 XP8 XP9 XP10 XP11 XP12 XP13 XP14 XP15 XP16 XP17 XP25 XP28: library part P100-B1, "Pogo pin, 33.35x1.36", Added_by=irdolgopolowa@yandex.ru, Created_at=29/10/24, Mount=MOUNT, MountType=THM, Part Number=P100-B1
XP30: library part "STM32F411CEU6 Black pil", "STM32F411CEU6 Black pil", Added_by=irdolgopolowa@yandex.ru, Created_at=29/10/24, Mating Part=2*DS1021-1*20SF11-B, Mount=Mount, MountStyle=THM, Part Number="STM32F411CEU6 Black Pill", Solder_Amount=20
XP48: "20021111-00010T4LF. pin 10", Added_by=irdolgopolowa@yandex.ru, Created_at=29/10/24, Mount=MOUNT, MountType=THM, Part Number=20021111-00010T4LF, Pkg=20021111-00010T4LF, Solder_Amount=10
XP49: library part PLS-2_Laser, "KNP300JB-52-3R", Part Number=PLS-2, Added_by=irdolgopolowa@yandex.ru, Created_at=29/10/24, Mating Part=KNP300JB-52-3R, Mount=MOUNT, MountType=THM, Pkg=PLS-2, Solder_Amount=2
XP50: library part "BH-20 (DS1013-20S)", "BH-20 (DS1013-20S) (IDC-20MS), 20pin 2.54mm", PartNumber=DS1013-20SSiB1-B-0, Added_by=irdolgopolowa@yandex.ru, Created_at=30/10/24, Mount=MOUNT, MountType=SMD, SolderAmount=20
XP51: library part PLS-2_peltie, "SQP10AJB-3R", Part Number=PLS-2, Added_by=irdolgopolowa@yandex.ru, Created_at=29/10/24, Mating Part=SQP10AJB-3R, Mount=MOUNT, MountType=THM, Pkg=PLS-2, Solder_Amount=2
XS1: "USB Type-C, Right Angle Hybrid Type, 30u\"", Added_by=ridel_av@teslatec.ru, Created_at=13/12/2021, Mount=MOUNT, MountType=SMD, Part Number=217B-AG01, Pkg=217B-AG01, Solder_Amount=28
XS2: "Ethernet PCB 8/8 RJ45", Added_by=irdolgopolowa@yandex.ru, Created_at=29/10/24, Mount=MOUNT, MountType=THM, Part Number=DS1126, Pkg=RJ-45, Solder_Amount=12
XS3: "Pin Header Pitch 2.54mm", Added_by=andrew@teslatec.ru, Cable/Wire=-, Created_at=1/09/2020, Mating Part=-, Mating Terminals=-, Mount=MOUNT, MountType=THM, Part Number=PLD-24, Pkg="PLD-24 2.54mm", Solder_Amount=24
К1 К2 К3 К4 К5 К6 К7: "HFD4/5 (IM03TS) (1-1462037-8), 5VDC, 2A/250VAC DPDT", Part Number=HFD4/5SR, Added_by=irdolgopolowa@yandex.ru, Created_at=30/10/24, Mount=MOUNT, MountType=THM, Pkg=DIP-8, Solder_Amount=8

## Free pads (board coordinates)
  round 0.113 on Mech14: 1(10.95,25.035) 1(10.951,25.056) 1(10.969,25.04) 1(10.969,25.061) 1(13.92,24.425) 1(13.92,30.425) 1(13.92,45.425) 1(13.92,48.425) 1(13.925,24.406) 1(13.925,30.406) 1(13.941,24.424) 1(13.941,30.424) 1(13.941,45.424) 1(13.941,48.424) 1(13.946,24.406) 1(13.946,30.406) 1(15.28,24.425) 1(15.28,30.425) 1(15.28,45.425) 1(15.28,48.425) 1(15.285,24.406) 1(15.285,30.406) 1(15.301,24.424) 1(15.301,30.424) 1(15.301,45.424) 1(15.301,48.424) 1(15.306,24.406) 1(15.306,30.406) 1(16.904,15.406) 1(16.92,24.425) 1(16.92,30.425) 1(16.92,39.425) 1(16.92,45.425) 1(16.92,48.425) 1(16.921,42.425) 1(16.925,15.406) 1(16.925,24.406) 1(16.925,30.406) 1(16.941,21.424) 1(16.941,24.424) 1(16.941,30.424) 1(16.941,39.424) 1(16.941,45.424) 1(16.941,48.424) 1(16.941,42.425) 1(16.946,24.406) 1(16.946,30.406) 1(18.264,15.406) 1(18.264,21.406) 1(18.28,24.425) 1(18.28,30.425) 1(18.28,39.425) 1(18.28,45.425) 1(18.28,48.425) 1(18.281,42.425) 1(18.285,15.406) 1(18.285,24.406) 1(18.285,30.406) 1(18.301,21.424) 1(18.301,24.424) 1(18.301,30.424) 1(18.301,39.424) 1(18.301,45.424) 1(18.301,48.424) 1(18.301,42.425) 1(18.306,24.406) 1(18.306,30.406) 1(26.577,25.928) 1(26.597,25.928) 1(27.937,25.928) 1(27.957,25.928) 1(28.441,46.725) 1(28.461,46.724) 1(29.801,46.725) 1(29.821,46.724) 1(31.67,45.702) 1(31.691,45.702) 1(33.03,45.702) 1(33.051,45.702) 1(38.19,39.9) 1(38.211,39.899) 1(39.55,39.9) 1(39.571,39.899) 1(40.765,10.925) 1(40.786,10.924) 1(42.125,10.925) 1(42.146,10.924) 1(43.27,39.9) 1(43.291,39.899) 1(43.765,7.925) 1(43.765,10.925) 1(43.786,7.924) 1(43.786,10.924) 1(44.63,39.9) 1(44.651,39.899) 1(45.125,7.925) 1(45.125,10.925) 1(45.146,7.924) 1(45.146,10.924) 1(45.81,39.9) 1(45.831,39.899) 1(46.765,7.925) 1(46.765,10.925) 1(46.786,7.924) 1(46.786,10.924) 1(47.17,39.9) 1(47.191,39.899) 1(48.125,7.925) 1(48.125,10.925) 1(48.146,7.924) 1(48.146,10.924) 1(48.35,39.9) 1(48.371,39.899) 1(49.71,39.9) 1(49.731,39.899) 1(51.377,21.521) 1(51.397,21.52) 1(52.737,21.521) 1(52.757,21.52) 1(62.72,51.397) 1(62.72,54.397) 1(62.74,51.397) 1(62.74,54.397) 1(64.08,51.397) 1(64.08,54.397) 1(64.1,51.397) 1(64.1,54.397) 1(65.72,51.397) 1(65.72,54.397) 1(65.74,51.397) 1(65.74,54.397) 1(67.08,51.397) 1(67.08,54.397) 1(67.1,51.397) 1(67.1,54.397) 1(68.72,51.397) 1(68.72,54.397) 1(68.74,51.397) 1(68.74,54.397) 1(70.08,51.397) 1(70.08,54.397) 1(70.1,51.397) 1(70.1,54.397) 1(75.27,41.625) 1(75.291,41.624) 1(76.63,41.625) 1(76.651,41.624) 1(78.27,44.625) 1(78.291,44.624) 1(78.97,15.285) 1(78.97,17.825) 1(78.97,20.365) 1(78.97,22.905) 1(78.991,15.284) 1(78.991,17.824) 1(78.991,20.364) 1(78.991,22.904) 1(79.63,44.625) 1(79.651,44.624) 1(80.33,15.285) 1(80.33,17.825) 1(80.33,20.365) 1(80.33,22.905) 1(80.351,15.284) 1(80.351,17.824) 1(80.351,20.364) 1(80.351,22.904)
  round 1.373 on Mech14: 1(14.6,30.425) 1(14.6,45.425) 1(14.6,48.425) 1(14.605,30.406) 1(14.621,24.424) 1(14.621,30.424) 1(14.621,45.424) 1(14.621,48.424) 1(17.584,15.406) 1(17.6,30.425) 1(17.6,39.425) 1(17.6,45.425) 1(17.6,48.425) 1(17.601,42.425) 1(17.605,15.406) 1(17.605,30.406) 1(17.621,21.424) 1(17.621,24.424) 1(17.621,30.424) 1(17.621,39.424) 1(17.621,45.424) 1(17.621,48.424) 1(17.621,42.425) 1(17.626,30.406) 1(27.257,25.928) 1(27.277,25.928) 1(29.121,46.725) 1(29.141,46.724) 1(32.35,45.702) 1(32.371,45.702) 1(33.491,6.874) 1(38.87,39.9) 1(38.891,39.899) 1(41.445,10.925) 1(41.466,10.924) 1(43.95,39.9) 1(43.971,39.899) 1(44.445,7.925) 1(44.445,10.925) 1(44.466,7.924) 1(44.466,10.924) 1(46.49,39.9) 1(46.511,39.899) 1(47.445,7.925) 1(47.445,10.925) 1(47.466,7.924) 1(47.466,10.924) 1(49.03,39.9) 1(49.051,39.899) 1(52.057,21.521) 1(52.077,21.52) 1(63.4,51.397) 1(63.4,54.397) 1(63.42,51.397) 1(63.42,54.397) 1(66.4,51.397) 1(66.4,54.397) 1(66.42,51.397) 1(66.42,54.397) 1(69.4,51.397) 1(69.4,54.397) 1(69.42,51.397) 1(69.42,54.397) 1(75.95,41.625) 1(75.971,41.624) 1(78.95,44.625) 1(78.971,44.624) 1(79.65,15.285) 1(79.65,17.825) 1(79.65,20.365) 1(79.65,22.905) 1(79.671,15.284) 1(79.671,17.824) 1(79.671,20.364) 1(79.671,22.904)
  round 0.113 on Mech13: 1(14.75,8.425) 1(14.75,55.347) 1(17.75,8.425) 1(17.75,55.347) 1(76.1,8.425) 1(76.1,55.445) 1(79.1,8.425) 1(79.1,55.445)
  round 3.013 on Mech13: 1(16.25,8.425) 1(16.25,55.347) 1(77.6,8.425) 1(77.6,55.445)
  round 0.113 on Mech15: 1(24.67,27.92) 1(24.676,27.92) 1(26.03,27.92) 1(26.036,27.92) 1(26.17,17.932) 1(26.176,17.931) 1(27.201,8.325) 1(27.207,8.324) 1(27.53,17.932) 1(27.536,17.931) 1(28.561,8.325) 1(28.567,8.324) 1(36.577,49.844) 1(36.583,49.843) 1(37.937,49.844) 1(37.943,49.843) 1(50.512,49.465) 1(50.517,49.464) 1(51.872,49.465) 1(51.877,49.464)
  round 1.373 on Mech15: 1(25.35,27.92) 1(25.356,27.92) 1(26.85,17.932) 1(26.856,17.931) 1(27.881,8.325) 1(27.887,8.324) 1(37.257,49.844) 1(37.263,49.843) 1(40.488,48.818) 1(51.192,49.465) 1(51.197,49.464) 1(58.763,42.093)
  round 0.7 on Mech14: 1(48.17,18.2)

## Via types
v1: diameter 0.4, hole 0.2, Top Layer to Bottom Layer, 135 vias

## Nets (pads, with @x,y where several pads share a name; then routed paths per layer and width w, separated by ;. In a path a pad name is that pad's centre, name@x,y a point inside that pad or via, vN(x,y) a via of type N, cw(c..) or ccw(c..) an arc to the next point about the centre after c; other vN are vias at no path point)
+1.2V: MUX1.9 XP15.1 | length 13.3
  Bottom Layer w0.25: XP15.1@52.077,21.52 52.957,22.4 62,22.4 62.54,21.86 MUX1.9@62.54,20.369 MUX1.9@62.54,19.574
+1.8V: MUX1.8 XP13.1 | length 40.5
  Bottom Layer w0.25: XP13.1@33.491,6.874 33.491,13.941 34.625,15.075 59.216,15.075 63.81,19.669 MUX1.8@63.81,20.369
+1.8VA: MUX1.10 XP16.1 XP50.7 | length 115.1
  Bottom Layer w0.25: MUX1.10@61.27,20.369 61.27,19.669 57.476,15.875 29.3,15.875 27.881,14.456 XP16.1@27.881,8.325 33.78,2.425 72.675,2.425 86.4,16.15 87.979,16.15 88.35,16.521 88.35,18.5 87.135,19.715 XP50.7@87.135,19.975
+2.5V: MUX1.6 XP12.1 | length 25
  Bottom Layer w0.25: XP12.1@48.17,18.2 50.1,20.129 50.1,22.925 51.025,23.85 65.3,23.85 66.35,22.8 MUX1.6@66.35,20.369
+2.5V_offset: MUX1.7 XP11.1 XP50.5 | length 140.7
  Top Layer w0.254: XP11.1@26.856,17.931 26.856,17.792 26.125,17.061 26.125,5.425 30.275,1.275 60.85,1.275 65.1,5.525 v1(65.1,21.85) ; v1(56.375,16.7) v1(56.375,23.125)
  Bottom Layer w0.254: XP11.1@26.856,17.931 28.087,16.7 v1(56.375,16.7) ; v1(65.1,21.85) 65.09,21.84 65.09,20.379 MUX1.7@65.08,20.369 65.08,13.52 65.875,12.725 81.55,12.725 86.022,17.197 86.897,17.197 XP50.5@87.135,17.435
+2.048V: MUX1.5 XP14.1 | length 1.5
  Bottom Layer w0.254: v1(67.6,21.875) 67.61,21.865 67.61,20.379 MUX1.5@67.62,20.369
+3.3V: C25.2 C27.2 C28.2 C30.2 DA6.16 DD1.5 XP30.3 XP30.20 XP30.40 XP47.1 XP48.4 XP48.6 | length 26.8
  Bottom Layer w0.25: DD1.5@10.385,74.25 10.385,75.765 C28.2@10.15,76 10.05,76 9.525,75.475 9.525,75.375 9.45,75.3 9.45,73.05 9.775,72.725 15.525,72.725 15.875,73.075 15.875,75.145 XP30.20@18.155,77.425 ; C30.2@46.55,48.075 46.63,47.995 46.63,46.205 XP48.6@46.71,46.125 XP48.4@49.25,46.125 ; DA6.16@54.675,12.275 DA6.16@54.675,12.379 ; v1(54.925,13.725) 54.925,13.684 54.675,13.434 DA6.16@54.675,12.379 ; C25.2@56.475,10.425 56.075,10.825 C27.2@56.075,12.425 54.721,12.425 DA6.16@54.675,12.379
+5.5VAA_double: R24.1 XP9.1 XP50.3 | length 98
  Bottom Layer w0.25: R24.1@24.75,26.123 25.375,26.123 25.39,26.107 25.39,27.885 XP9.1@25.356,27.92 23.87,27.92 22.525,26.575 22.525,6.55 27.35,1.725 73.965,1.725 XP50.3@87.135,14.895
+5V: C5.2 C11.2 DA2.3 DA3.1 DA4.8 DA5.8 DA7.8 DA8.8 DA9.8 MUX1.1 R20.2 R31.2 R80.1 XP30.1 XP30.38 XS1.A4 XS1.A9 XS1.B4 XS1.B9 | length 97.4
  Bottom Layer w0.25: R20.2@9.6,29.836 9.589,29.825 8.375,29.825 7.875,30.325 7.875,33.475 9.65,35.25 11.854,35.25 12.225,35.621 DA4.8@12.225,36.95 v1(12.925,36.95) ; R31.2@29.675,48.925 28.296,48.925 28.15,49.071 28.15,51.432 32.231,55.513 32.231,56.306 32.238,56.313 32.238,57.462 v1(32.225,57.475) ; v1(40.15,34.775) DA9.8@41.55,34.775 ; v1(41.75,30.525) 43.15,30.525 DA7.8@43.2,30.475 ; v1(43.05,24.875) 43.05,25.729 43.096,25.775 DA8.8@43.175,25.775 ; XP30.1@66.415,77.425 67.052,76.788 67.052,76.548 ; v1(78.125,32.45) 78.125,33.25 C5.2@78.55,33.675 78.525,33.7 DA2.3@78.525,35.15 ; C11.2@90.95,52.35 91,52.35 91.375,52.725 91.375,52.775 91.5,52.9
  Bottom Layer w0.254: XS1.B9@7.21,66.45 7.237,66.423 8.442,66.423 XS1.A4@8.465,66.4 9.825,66.4 ; XS1.B4@7.21,68.85 7.237,68.877 8.442,68.877 XS1.A9@8.465,68.9 ; MUX1.1@72.7,20.369 72.7,18.865 72.75,18.815 v1(72.75,18.775) ; v1(90.55,53.35) 90.818,53.082 90.818,52.482 C11.2@90.95,52.35 90.95,50.998 90.998,50.95 DA3.1@91.075,50.95
  Bottom Layer w0.5: 9.825,66.4 18.46,66.4 XP30.38@23.235,61.625 ; 67.052,76.548 72.175,71.425 84.7,71.425 91.5,64.625 91.5,52.9
+6V: C7.2 C8.2 C9.2 C10.2 DA1.5 DA3.2 DA3.7 L1.2 R6.2 R9.2 VD1.2 VD3.2 VD4.2 VD5.2 VD6.2 VD7.2 VD8.2 XS3.18 XS3.24 К1.1 К2.1 К3.1 К4.1 К5.1 К6.1 К7.1 | length 58.2
  Bottom Layer w0.25: 83.6,51.509 83.75,51.659
  Bottom Layer w0.254: К3.1@8.045,12.2 8.518,11.727 9.198,11.727 11,9.925 VD4.2@11.05,9.925 ; VD5.2@9.562,53.376 9.562,52.618 К4.1@10.955,51.225 ; VD7.2@22.6,55.8 22.65,55.8 24.65,53.8 К6.1@26.305,53.8 ; К7.1@28.9,38.1 28.9,39.076 30.601,40.777 30.627,40.777 30.9,41.05 VD8.2@30.9,41.1 ; К5.1@29.05,30.3 30.1,31.35 VD6.2@31.175,31.35 ; К2.1@55,53.095 55.473,53.568 56.573,54.668 56.573,55.885 56.852,56.164 56.852,56.377 VD3.2@57.125,56.65 ; VD1.2@72.05,45.3 72,45.3 72.1,45.2 К1.1@72.1,43.25 ; DA1.5@83.6,50.7 83.6,51.509 ; R9.2@86.45,43.675 86.45,44.55 86.925,45.025 C7.2@86.925,45.075 86.925,45.125 87.298,45.498 87.348,45.498 87.627,45.777 88.077,45.777 C8.2@88.25,45.95 C9.2@89.225,45.95 89.325,46.05 89.703,46.05 89.852,46.199 89.852,49.898 86.825,52.925 L1.2@86.825,56.082 ; L1.2@86.825,56.525 L1.2@86.825,56.45 ; DA3.7@87.425,50.3 87.407,50.318 86.582,50.318 86.277,50.623 86.277,52.61 85.985,52.902 85.823,52.902 85.675,53.05 R6.2@85.675,53.075 85.675,54.225 86,54.549 86,55.625 L1.2@86.825,56.45 ; L1.2@87.651,55.257 L1.2@86.825,56.082 ; DA3.2@91.075,50.3 92.45,50.3 C10.2@92.675,50.525 ; C10.2@92.875,50.55 C10.2@92.875,50.6 ; L1.2@86.825,56.082 L1.2@86.825,56.45
  Bottom Layer w0.5: 83.75,51.659 83.75,54.55 84.825,55.625 L1.2@86,55.625
-6V: R14.1 XP5.1 XS3.14 XS3.20 | length 27.7
  Bottom Layer w0.25: R14.1@11.5,29.886 11.5,29.025 12.175,28.35 14.104,28.35 14.6,28.846 XP5.1@14.6,30.425
  Bottom Layer w0.254: XS3.20@2.46,17.56 1.3,18.72 1.3,24.2 2.28,25.18 XS3.14@2.46,25.18 3.68,26.4 5.55,26.4 7.4,28.25 14.004,28.25 14.104,28.35
A_ADC+: DA8.1 R74.2 К3.7 | length 31.9
  Top Layer w0.254: К3.7@12.875,14.45 13.131,14.45 13.631,13.95 19.15,13.95 26.15,20.95 33.875,20.95 v1(37.775,24.85)
  Bottom Layer w0.25: v1@37.775,25.05 37.775,25.525 R74.2@37.875,25.625 38.575,25.625 38.725,25.775 DA8.1@39.225,25.775
  Bottom Layer w0.254: К3.7@12.875,14.45 К3.7@13.125,14.45
A_ADC-: DA8.7 R75.2 К3.2 | length 44.5
  Top Layer w0.254: К3.2@7.795,14.45 10.7,14.45 11.875,13.275 20.1,13.275 26.921,20.096 39.546,20.096 v1(44.5,25.05)
  Bottom Layer w0.25: DA8.7@43.175,26.425 43.702,26.425 43.852,26.275 43.882,26.275 44.107,26.05 44.335,26.05 44.485,25.9 R75.2@44.485,25.875 44.492,25.867 44.492,25.058 v1(44.5,25.05)
ADC1_IN0: DA9.1 R81.2 XP30.15 | length 3
  Layer 3 w0.25: 35.325,35.1 v1(35.525,35.1)
  Bottom Layer w0.25: v1(35.525,35.1) 35.554,35.129 35.554,35.454 R81.2@35.65,35.55 35.65,35.525 36.4,34.775 DA9.1@37.6,34.775
ADC1_IN1: MUX1.28 XP30.14 | length 78.2
  Top Layer w0.25: XP30.14@33.395,77.425 37.97,72.85 59.075,72.85 60.1,71.825 60.1,58.1 60.875,57.325 60.875,49.575 v1(60.85,49.55)
  Bottom Layer w0.25: v1(60.85,49.55) 60.85,39.05 66.375,33.525 69.644,33.525 72.7,30.469 MUX1.28@72.7,29.769
ADC1_IN4: R5.2 R7.1 XP30.11 | length 62.9
  Top Layer w0.254: v1(68.225,65.375) 68.225,60.775 74.525,54.475 v1(74.525,44.25)
  Bottom Layer w0.25: R5.2@73.775,40.2 R7.1@73.775,41.45 73.775,41.475 73.925,41.625 74.085,41.625 74.525,42.065 v1(74.525,44.25)
  Bottom Layer w0.254: XP30.11@41.015,77.425 41.198,77.242 42.158,77.242 45.7,73.7 64.175,73.7 68.225,69.65 v1(68.225,65.375)
ADC1_IN5: DA2.6 XP30.10 | length 68.3
  Top Layer w0.25: v1(69.15,65.675) 69.15,61.45 75.575,55.025 75.575,43.396 75.721,43.25 76.9,43.25 77.5,42.65 77.5,40.575 76.825,39.9 76.021,39.9 75.875,39.754 v1(75.875,37.2)
  Bottom Layer w0.25: XP30.10@43.555,77.385 43.689,77.251 44.692,77.251 47.168,74.775 65.175,74.775 69.15,70.8 v1(69.15,65.675) ; v1(75.875,37.2) 75.875,37.159 76,37.034 76,36.525 76.075,36.45 DA2.6@76.325,36.45
ADC1_IN6: C35.2 R83.1 R84.1 XP30.9 | length 61.4
  Top Layer w0.25: v1(6.675,57.9) 7.95,56.625 14.425,56.625 16.325,58.525 16.325,62.85 22.075,68.6 22.075,78.25 22.4,78.575 45,78.575 46.095,77.48 XP30.9@46.095,77.385
  Bottom Layer w0.25: v1(6.675,57.9) 6.704,57.929 6.704,58.304 7.325,58.925 C35.2@7.375,58.925 7.475,59.025 R84.1@8.65,59.025 R83.1@9.6,59.025
ADC1_IN7: C36.2 R85.1 R86.1 XP30.8 | length 59.3
  Top Layer w0.25: v1(6.7,61.45) 6.729,61.479 6.729,61.729 7.175,62.175 12.825,62.175 19.375,68.725 19.375,77.775 21.05,79.45 46.57,79.45 XP30.8@48.635,77.385
  Bottom Layer w0.25: v1(6.7,61.45) 6.729,61.421 6.729,61.071 7.325,60.475 C36.2@7.375,60.475 7.6,60.25 R86.1@8.65,60.25 R85.1@9.6,60.25 R85.1@9.613,60.263
ADC+: DA7.1 R72.2 К5.7 | length 2.5
  Layer 3 w0.25: v1@37.6,29.7 v1(37.725,29.825)
  Bottom Layer w0.25: v1(37.725,29.825) 37.754,29.854 37.754,30.354 R72.2@37.85,30.45 38.075,30.225 38.554,30.225 38.7,30.371 38.7,30.425 38.75,30.475 DA7.1@39.25,30.475
ADC-: DA7.7 R73.2 К5.2 | length 2.8
  Bottom Layer w0.25: DA7.7@43.2,31.125 43.219,31.106 43.904,31.106 44.475,30.535 44.475,30.375 44.625,30.225 R73.2@44.65,30.225 44.65,29.627 44.811,29.466 v1(44.811,29.425)
ADC_ACM_IN: XP22.1 К3.6 | length 6.7
  Bottom Layer w0.25: К3.6@13.125,16.35 К3.6@13.125,16.514 ; К3.6@13.125,16.764 17.621,21.26 XP22.1@17.621,21.424
ADC_ACM_OUT: XP20.1 К3.3 | length 10.1
  Bottom Layer w0.25: К3.3@8.045,16.6 11.425,16.6 12.525,15.5 17.511,15.5 XP20.1@17.605,15.406
ADCr_ACM_IN: XP27.1 К5.6 | length 9.1
  Bottom Layer w0.25: XP27.1@17.605,30.406 20.224,33.025 22.295,33.025 К5.6@24.65,35.38
ADCr_ACM_OUT: XP24.1 К5.3 | length 9.5
  Bottom Layer w0.25: XP24.1@17.621,24.424 23.496,30.3 К5.3@24.65,30.3